# Altium PCB PCB2.PcbDoc (part 1 of 2)
Units mil, origin at the board's own origin, x right, y up, seen from the top; angles counter-clockwise.
Board outline 3940 x 3055 mil, 4 copper layers (Top Layer, DigitalVCC, AnalogVCC, Bottom Layer), stack 23.756 mil thick; 175 components, 97 nets, 522 pads, 410 vias.
Unrouted connection lines stored in the file: 18.
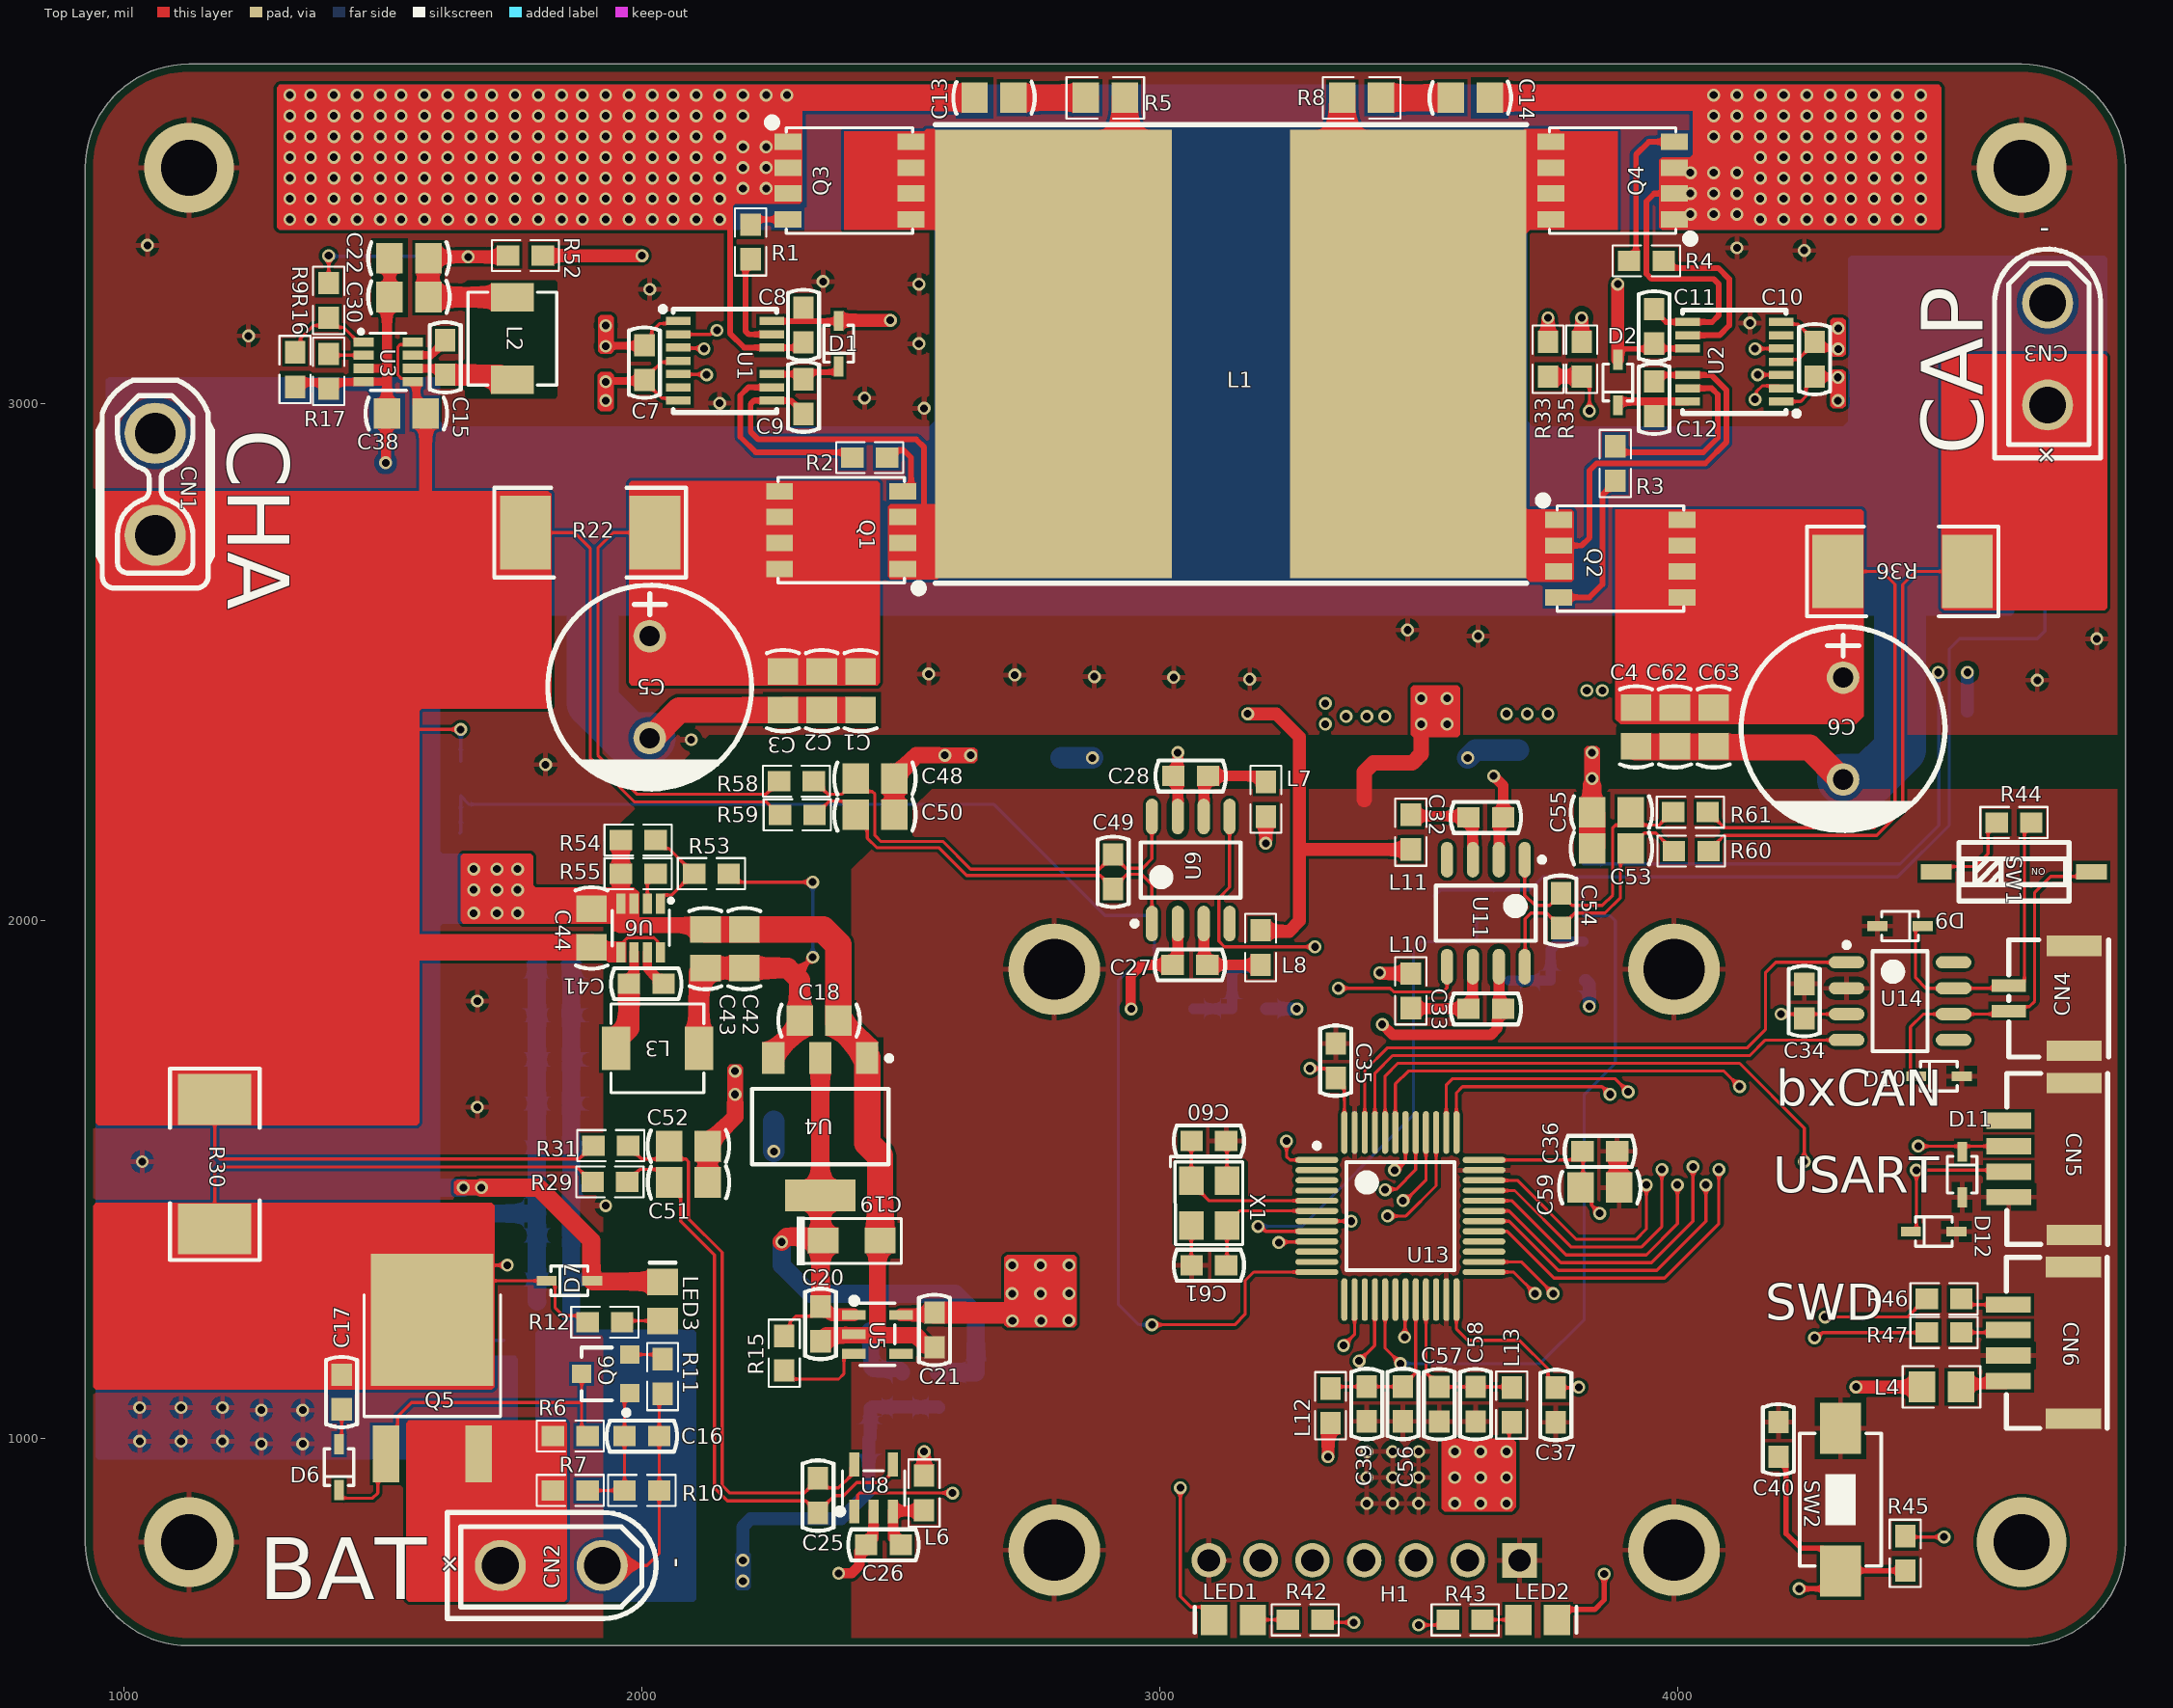
[diagram p0: Top Layer view]
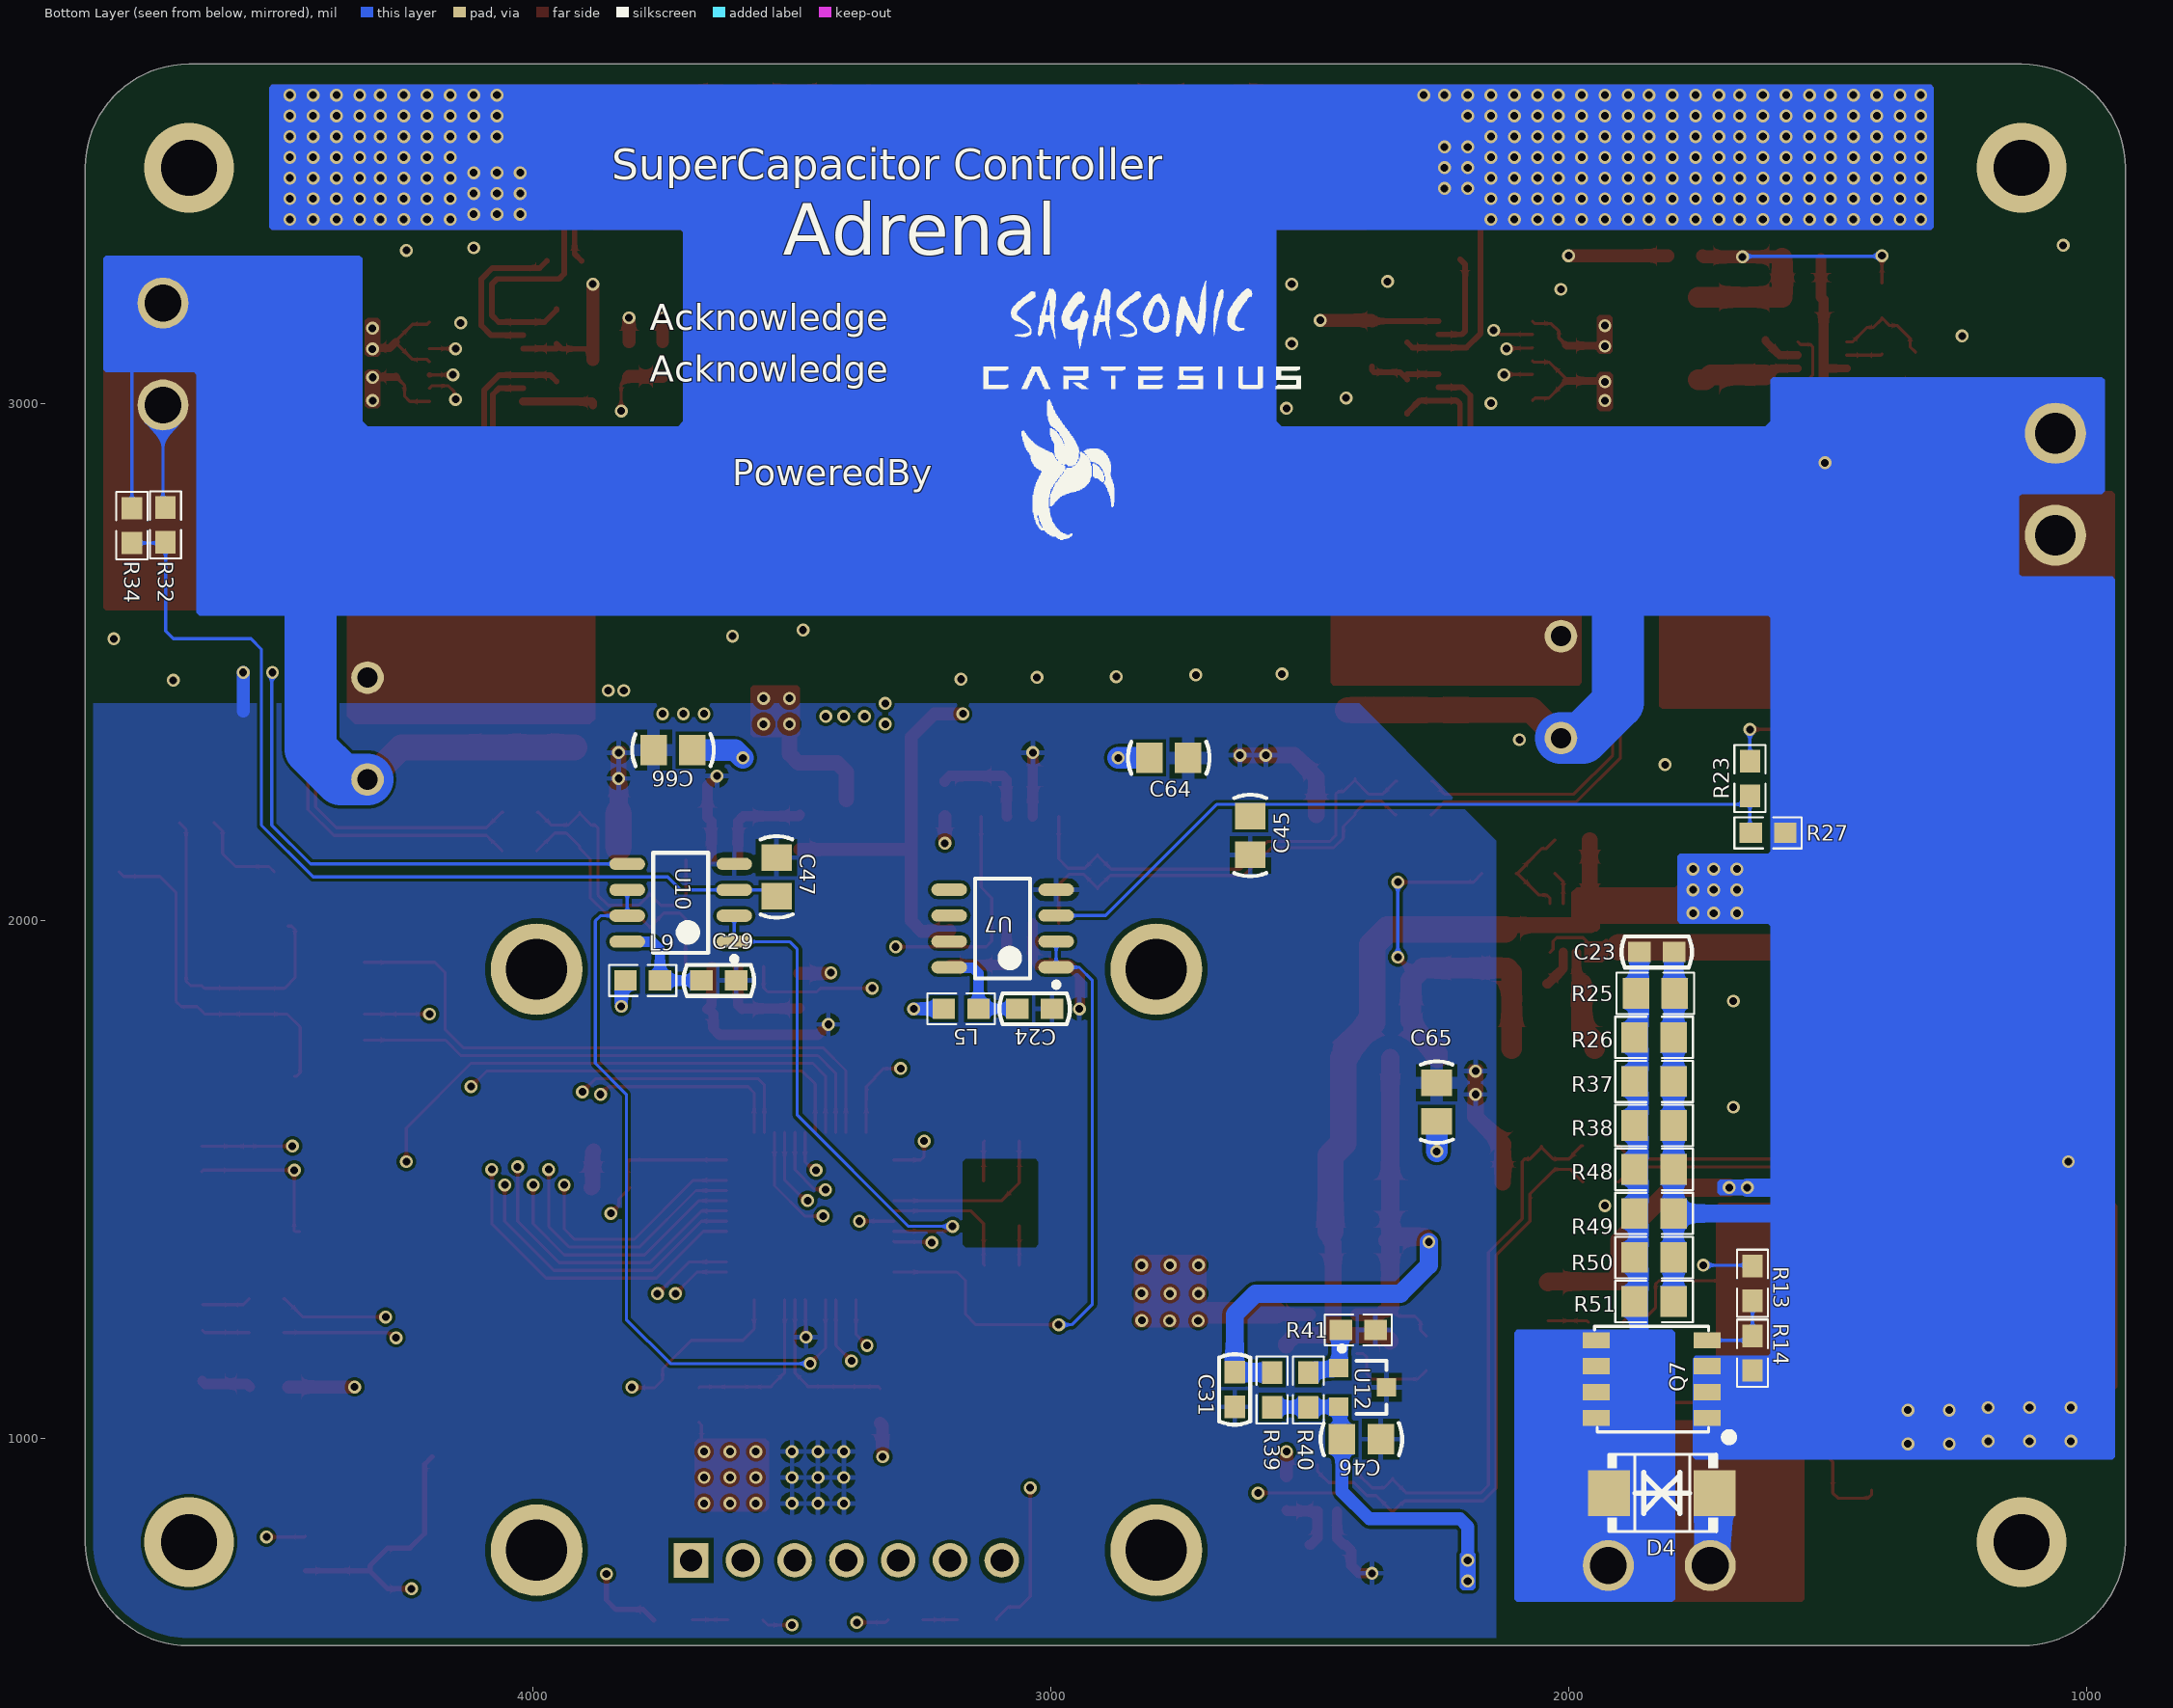
[diagram p1: Bottom Layer view, seen from below]
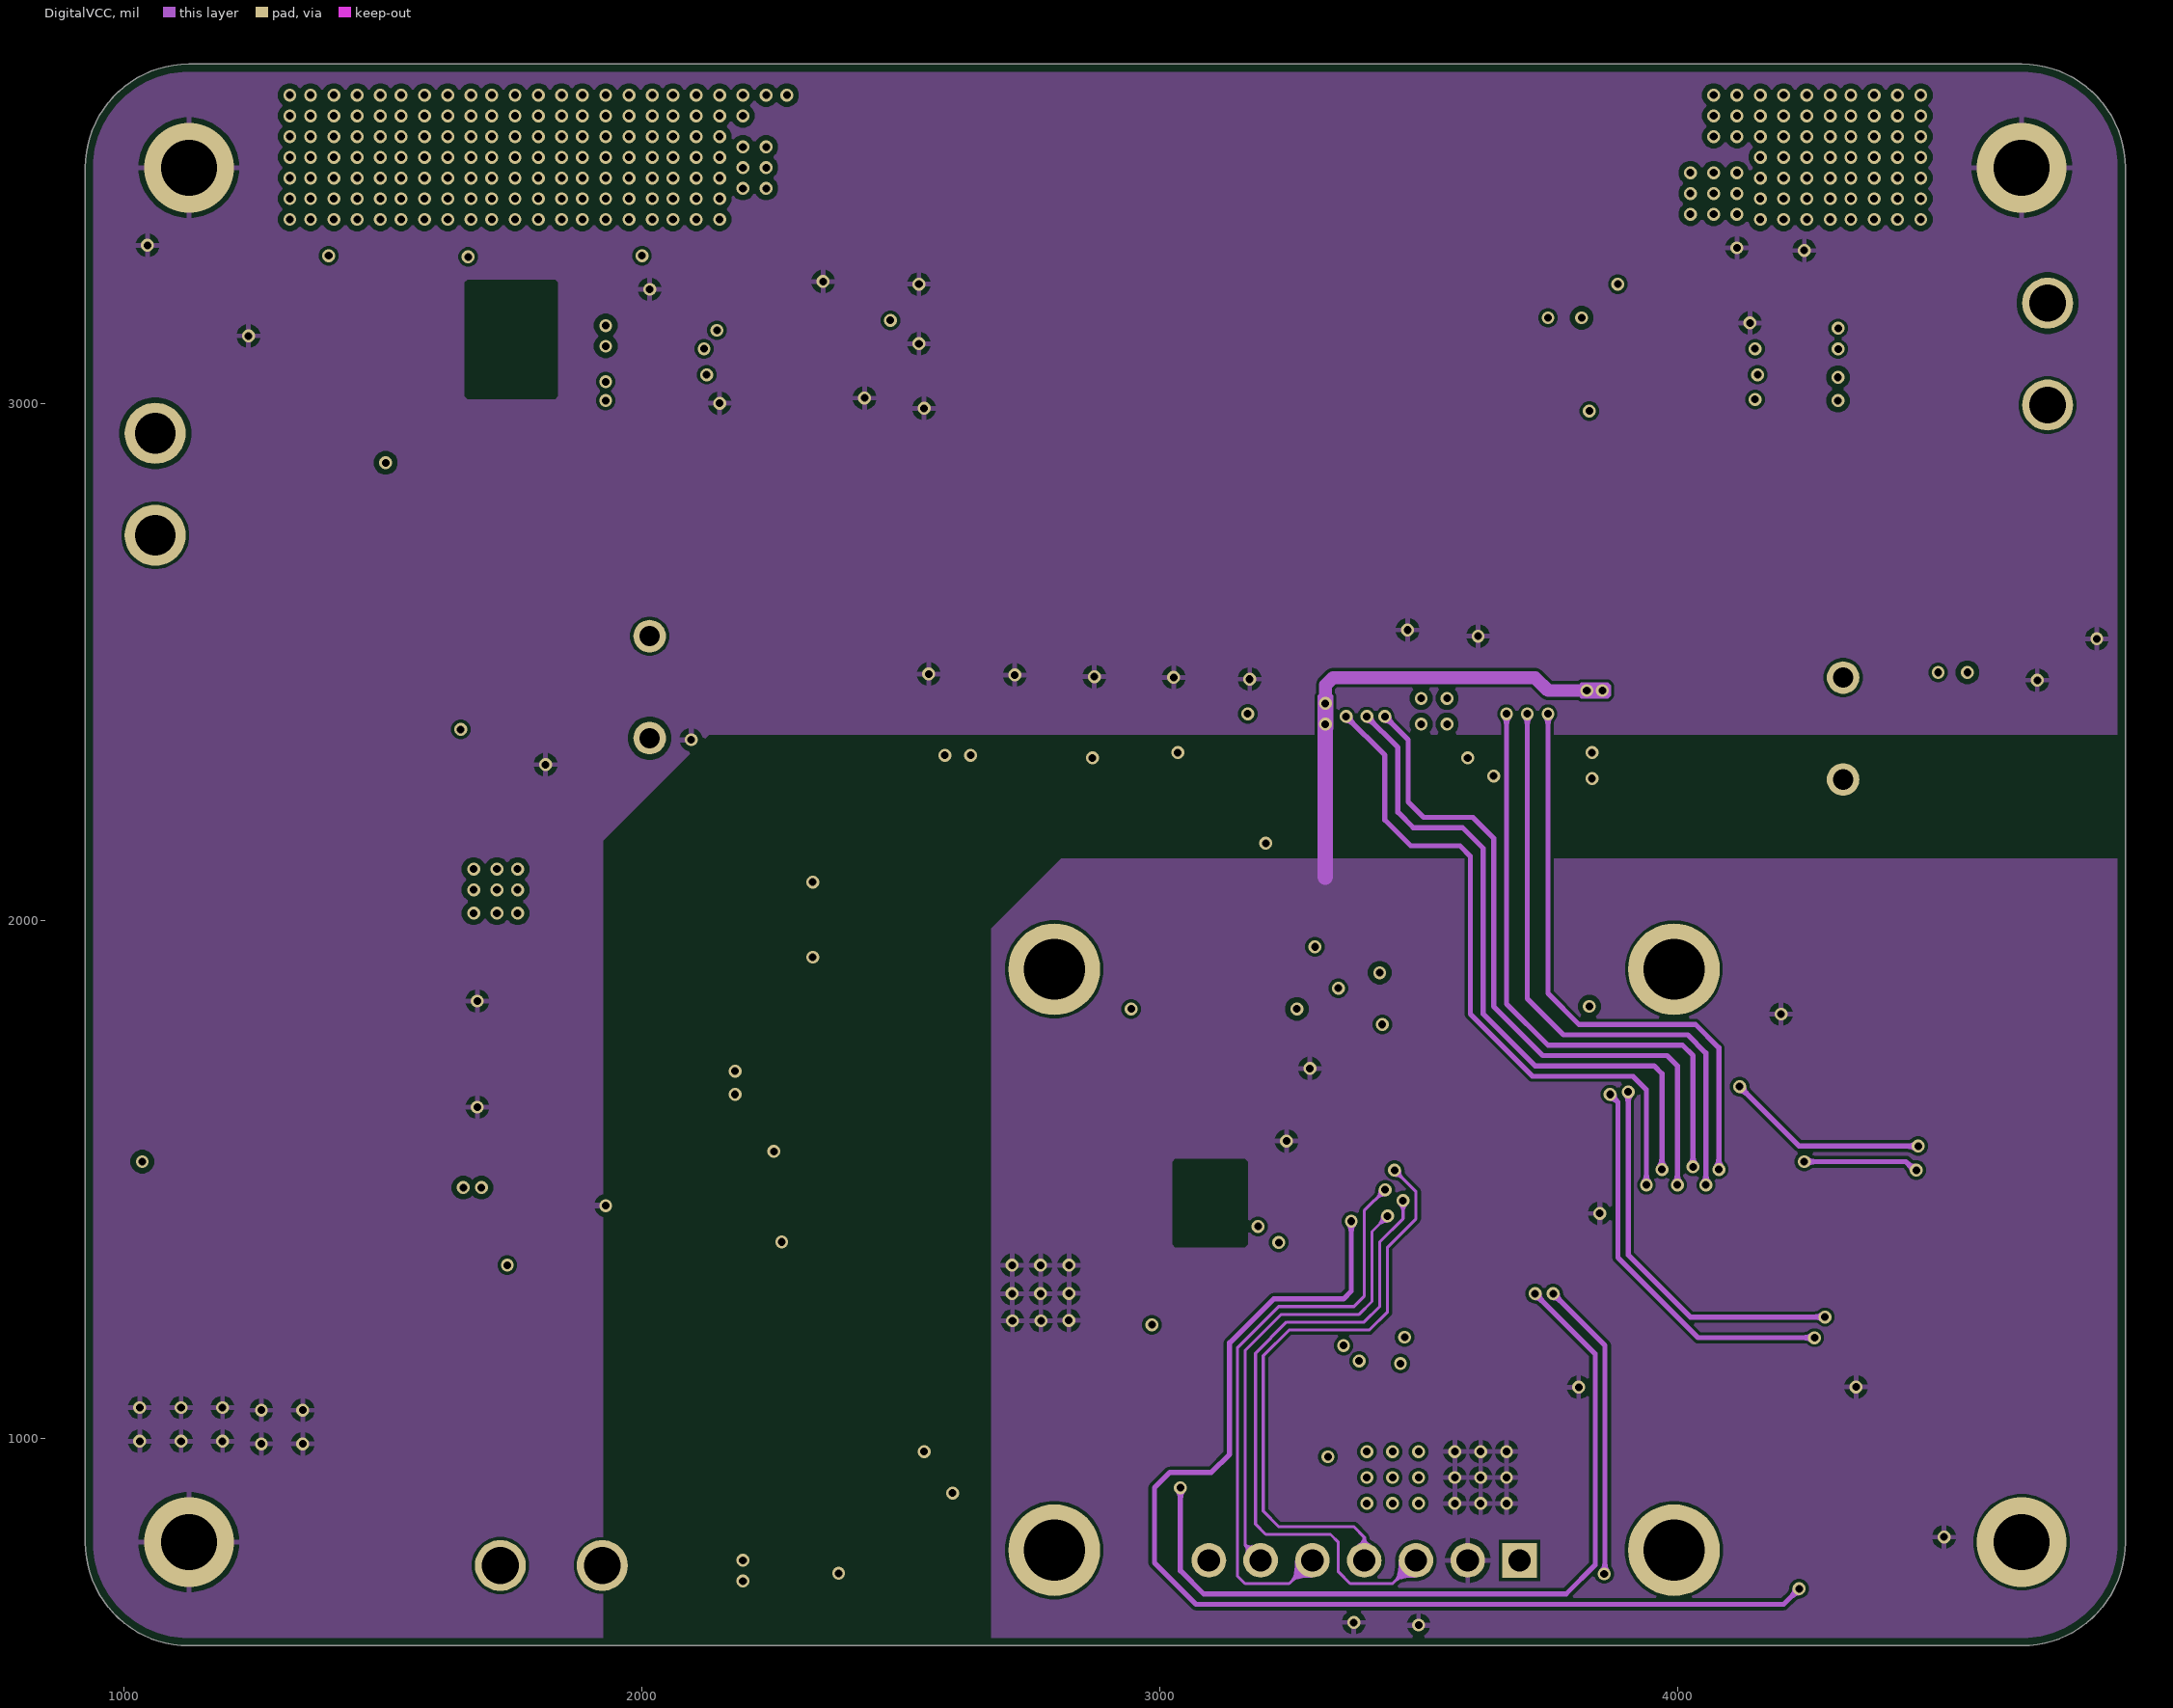
[diagram p2: DigitalVCC]
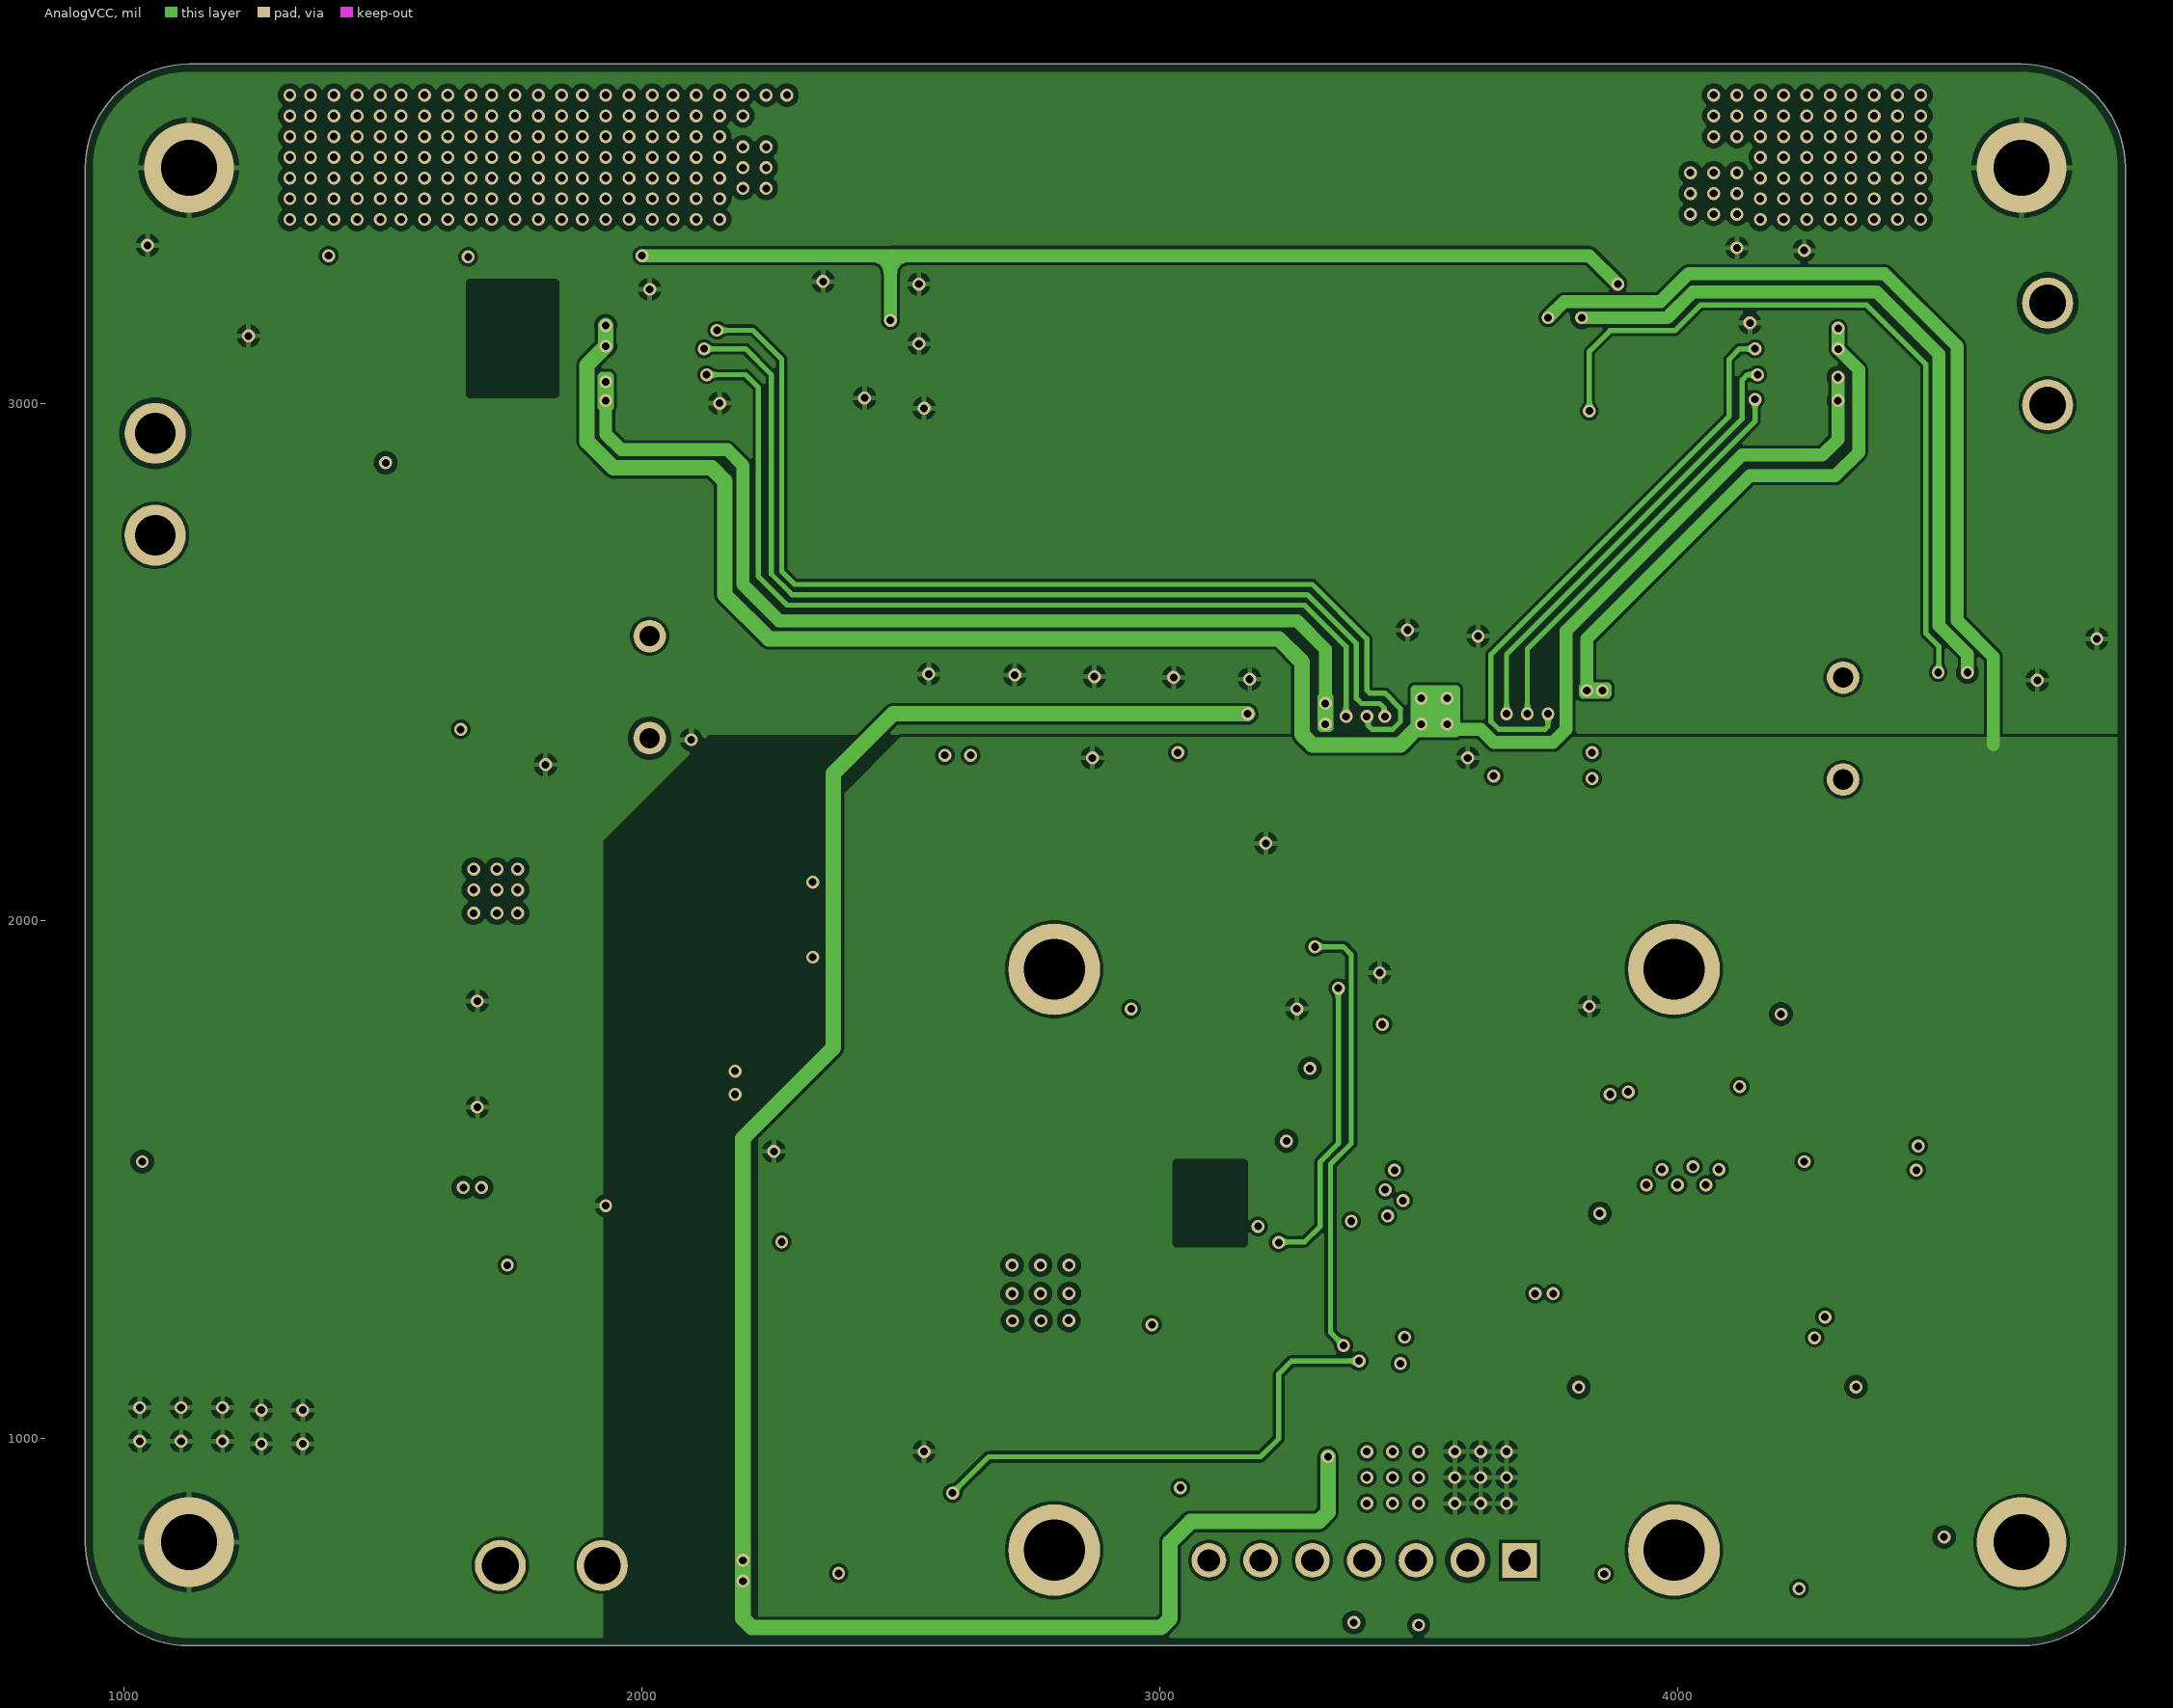
[diagram p3: AnalogVCC]

## Layer stack, top to bottom
Top Solder: solder mask 0.4, Solder Resist, Dk 3.5
Top Layer: signal copper 1.4
Dielectric 2: prepreg 2.8, PP-006, Dk 4.1
DigitalVCC: signal copper 1.378
Dielectric 1: dielectric 12.6, FR-4, Dk 4.8
AnalogVCC: signal copper 1.378
Dielectric 3: prepreg 2.8, PP-006, Dk 4.1
Bottom Layer: signal copper 1.4
Bottom Solder: solder mask 0.4, Solder Resist, Dk 3.5

## Board outline
925,800 ccw(c1125,800) 1125,600 4665,600 ccw(c4665,800) 4865,800 4865,3455 ccw(c4665,3455) 4665,3655 1125,3655 ccw(c1125,3455) 925,3455

## Design rules (kind name [scope] priority, off if disabled: settings)
BoardOutlineClearance [All] p1: gap=15 ignorepadtopadclearanceinfootprint=FALSE
Clearance [All] p1: gap=6 ignorepadtopadclearanceinfootprint=TRUE
ComponentClearance ComponentClearance_1 [InComponent('H1')] p1: gap=-1 collisioncheckmode=3 verticalgap=10 showdistances=FALSE
ComponentClearance [All] p2: gap=10 collisioncheckmode=3 verticalgap=10 showdistances=FALSE
MinimumSolderMaskSliver [All] p1: minsoldermaskwidth=0
PolygonConnect [All] p1: connectstyle=Relief reliefconductorwidth=10 reliefentries=4 polygonreliefangle="90 Angle" airgapwidth=10
RoutingVias [All] p1: holewidth=28 width=50 viastyle="Through Hole" minholewidth=28 minwidth=50 maxholewidth=28 maxwidth=50
SilkToSilkClearance [All] p1: silktosilkclearance=0
SilkToSolderMaskClearance [IsPad] p1: minsilkscreentomaskgap=0 clearancetoexposedcopper=TRUE
SolderMaskExpansion [All] p1: expansion=4 istentingtop=FALSE
Width [All] p1: maxlimit=500 minlimit=6 preferedwidth=10
26 further rules are at their usual default settings.

## Classes and differential pairs
component class Signal: C24 C25 C26 C27 C28 C29 C31 C32 C33 C45 C46 C47 C48 C49 C50 C51 C52 C53 C54 C55 C64 C65 C66 L5 L6 L7 L8 L9 L10 L11 R22 R23 R27 R29 R30 R31 R32 R33 R34 R35 R36 R39 R40 R41 R58 R59 R60 R61 U7 U8 U9 U10 U11 U12
component class PowerManagement: C15 C16 C17 C18 C19 C20 C21 C22 C23 C30 C38 C41 C42 C43 C44 CN1 CN2 CN3 D4 D6 D7 L2 L3 LED3 Q5 Q6 Q7 R6 R7 R9 R10 R11 R12 R13 R14 R15 R16 R17 R25 R26 R37 R38 R48 R49 R50 R51 R52 R53 R54 R55 U3 U4 U5 U6
component class Controller: C34 C35 C36 C37 C39 C40 C56 C57 C58 C59 C60 C61 CN4 CN5 CN6 D9 D10 D11 D12 H1 L4 L12 L13 LED1 LED2 R42 R43 R44 R45 R46 R47 SW1 SW2 U13 U14 X1
component class 4Switch_DCDC: C1 C2 C3 C4 C5 C6 C7 C8 C9 C10 C11 C12 C13 C14 C62 C63 D1 D2 L1 Q1 Q2 Q3 Q4 R1 R2 R3 R4 R5 R8 U1 U2
